# Altium PCB Archimajor.PcbDoc (part 5 of 13) (continued)
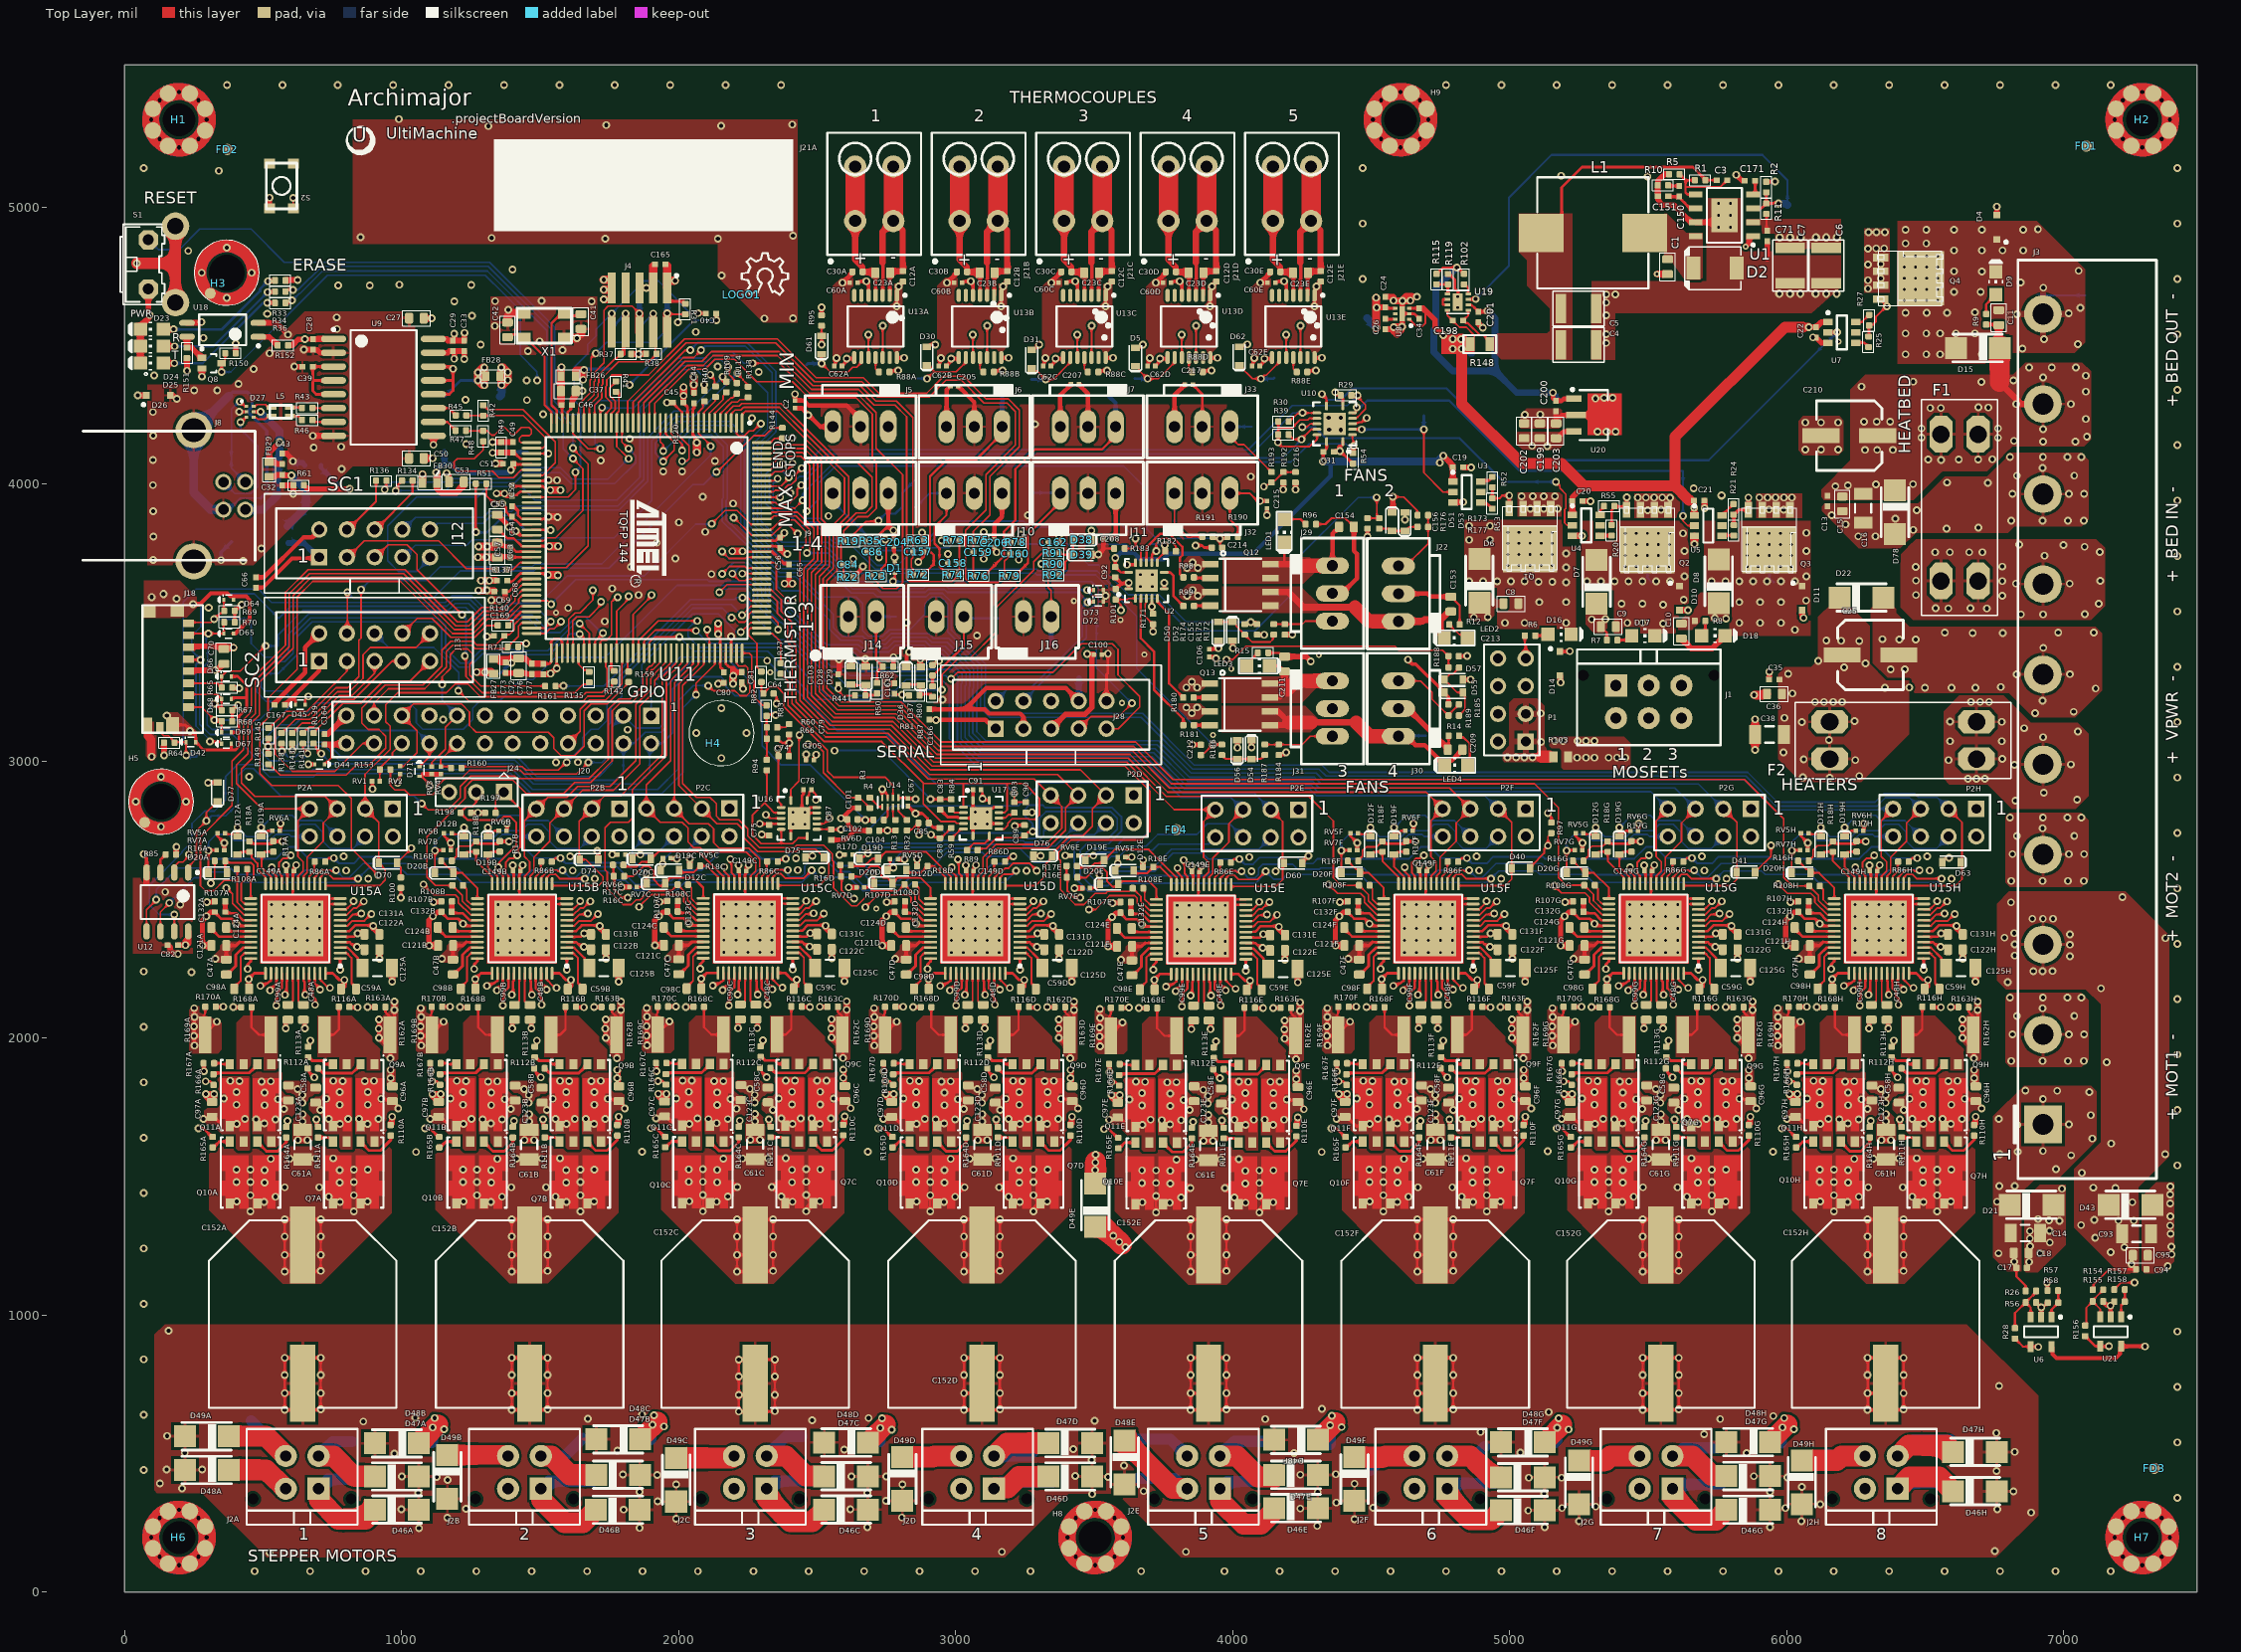
[diagram p0: Top Layer view]
## Nets (pads, with @x,y where several pads share a name; then routed paths per layer and width w, separated by ;. In a path a pad name is that pad's centre, name@x,y a point inside that pad or via, vN(x,y) a via of type N, cw(c..) or ccw(c..) an arc to the next point about the centre after c; other vN are vias at no path point) (continued)
  Top Layer w10: J18.11@187.02,3129.98 220.55,3129.98 257.5,3093.02 D42.A@257.5,3068.06 285.56,3040.01 386,3040.01 ; RV5A.2@335.63,2738.58 335.63,2728.74 v1(360.24,2704.13) RV7A.2@360.24,2677.56 ; D67.A@385.72,3062.3 385.72,3040.29 386,3040.01 ; D69.A@385.72,3103.01 411,3103.01 413,3101.01 ; D68.A@385.72,3224.01 389.72,3228.01 438,3228.01 441,3225.01 ; D66.A@385.72,3305.01 409.18,3305.01 441,3273.19 441,3225.01 ; RV6A.2@561.02,2747.44 564.29,2750.71 564.29,2770.39 568.03,2774.13 v1(563.06,2774.13) ; RV5B.2@1153.54,2738.58 1153.54,2728.74 v1(1178.15,2704.13) RV7B.2@1178.15,2677.56 ; C29.2@1189,4473.53 1189.94,4474.47 C29.2@1190,4474.53 ; v1(1308,3449.09) 1307.52,3449.09 1307,3449.61 C169.2@1334.3,3449.61 ; R49.1@1359.1,4150.53 R49.1@1360,4151.43 ; RV6B.2@1378.94,2747.44 1382.2,2750.71 1382.2,2770.39 1385.94,2774.13 v1(1380.97,2774.13) ; C49.2@1401.1,4151.43 C49.2@1402,4150.53 ; 1429.05,3814.47 U11.54@1469.65,3814.47 ; C74.2@2398.92,3017.68 v1@2398.92,3064.35 ; v1(2399.32,3064.35) C79.2@2399.33,3095.84 ; C78.1@2451.49,2896.04 2450.38,2894.93 2450.38,2879.4 2445.77,2874.8 2445.77,2821.05 U16.15@2454.44,2812.38 ; v1(2460.28,3024) 2460.28,3022.1 v1@2460.35,3022.02 ; C62A.1@2562.59,4425.57 2565.86,4428.83 2565.86,4444.78 2570.4,4449.32 v1(2570.4,4454.19) ; v1(2592.22,4726.46) C60A.1@2618.44,4726.46 ; U13A.14@2787.99,4456.26 2789.15,4455.09 v1(2814.56,4455.09) ; v1(2787.99,4640.69) U13A.1@2787.99,4680.67 v1@2787.99,4709.26 ; v1(2794.99,4713.26) v1@2792.69,4713.26 ; C12A.2@2809.99,4730.56 v1@2792.69,4713.26 ; C67.1@2828.46,2836.98 2855.03,2810.41 v1(2856.02,2810.41) 2880.62,2810.41 2898.35,2792.68 2898.35,2780.87 C85.1@2903.26,2775.96 2903.26,2774.96 2909.26,2768.96 2910.26,2768.96 2919.61,2759.61 2942.25,2759.61 C88.2@2943.62,2758.24 ; v3@2867.83,3715.92 v3(2865.86,3717.89) 2883.71,3735.74 C157.2@2883.71,3755.07 ; C62B.1@2939.59,4425.57 2942.86,4428.83 2942.86,4444.78 2947.4,4449.32 v1(2947.4,4454.19) ; C83.2@2944.6,2824.19 2945.6,2824.19 2951.6,2818.19 2951.6,2817.19 2971.65,2797.14 3008.15,2797.14 3010.42,2794.87 3016.19,2794.87 3016.85,2794.21 3017.29,2794.21 3017.81,2793.7 U17.4@3028.32,2793.7 U17.15@3092.52,2793.7 ; v1(2969.21,4726.46) C60B.1@2995.43,4726.46 ; U17.7@3062.99,2729.5 3062.99,2764.17 U17.15@3092.52,2793.7 ; C91.1@3063.7,2896.04 3062.99,2895.33 U17.1@3062.99,2857.9 3062.99,2823.23 v2(3070.87,2815.35) U17.15@3092.52,2793.7 ; U17.10@3156.72,2774.02 3112.2,2774.02 U17.15@3092.52,2793.7 ; U17.13@3156.72,2833.07 3156.68,2833.03 3137.51,2833.03 3133.63,2829.15 3127.97,2829.15 U17.15@3092.52,2793.7 ; U13B.14@3164.99,4456.26 3166.15,4455.09 v1(3191.56,4455.09) ; v1(3164.99,4640.69) U13B.1@3164.99,4680.67 v1@3164.99,4709.26 ; v1(3171.99,4713.26) v1@3169.69,4713.26 ; C12B.2@3186.99,4730.56 v1@3169.69,4713.26 ; C62C.1@3316.59,4425.57 3319.86,4428.83 3319.86,4444.78 3324.4,4449.32 v1(3324.4,4454.19) ; v1(3346.21,4726.46) C60C.1@3372.43,4726.46 ; C100.1@3527.5,3384.23 3529.47,3386.2 3532.42,3383.24 3536.39,3387.21 v1(3549.9,3387.21) 3549.9,3317.28 3544.76,3312.15 J28.10@3544.76,3216.39 ; U13C.14@3541.98,4456.26 3543.15,4455.09 v1(3568.56,4455.09) ; v1(3541.98,4640.69) U13C.1@3541.98,4680.67 v1@3541.98,4709.26 ; v1(3548.98,4713.26) v1@3546.68,4713.26 ; C12C.2@3563.98,4730.56 v1@3546.68,4713.26 ; C62D.1@3693.59,4425.57 3696.86,4428.83 3696.86,4444.78 3701.4,4449.32 v1(3701.4,4454.19) ; v1(3723.21,4726.46) C60D.1@3749.43,4726.46 ; v1(3855.04,3058.44) C212.2@3885.55,3058.44 ; C217.1@3856.02,4358.64 3890.35,4324.3 J33.2@3890.35,4206.53 ; v1@3866.85,3773.01 v1(3866.85,3777.93) 3889.48,3777.93 3897.36,3770.05 C214.2@3924.92,3770.05 ; C106.1@3916.06,3375.37 3934.79,3375.37 v1(3939.68,3370.47) ; U13D.14@3918.98,4456.26 3920.15,4455.09 v1(3945.56,4455.09) ; v1(3918.98,4640.69) U13D.1@3918.98,4680.67 v1@3918.98,4709.26 ; v1(3925.98,4713.26) v1@3923.68,4713.26 ; C12D.2@3940.98,4730.56 v1@3923.68,4713.26 ; D52.A@3999.72,3434.42 3999.72,3407.85 v1(4000.7,3406.87) ; v1(4016.86,3048.02) D56.A@4016.86,3074.19 ; C62E.1@4070.59,4425.57 4073.85,4428.83 4073.85,4444.78 4078.4,4449.32 v1(4078.4,4454.19) ; C155.2@4088.3,3456.08 4089.3,3456.08 4088.35,3455.12 v1(4113.9,3455.12) ; v1(4100.21,4726.46) C60E.1@4126.43,4726.46 ; v1(4123.74,3887.18) C215.1@4123.73,3911.1 ; U13E.14@4295.98,4456.26 4297.15,4455.09 v1(4322.55,4455.09) ; v1(4295.98,4640.69) U13E.1@4295.98,4680.67 v1@4295.98,4709.26 ; v1(4302.98,4713.26) v1@4300.68,4713.26 ; C12E.2@4317.98,4730.56 v1@4300.68,4713.26 ; v3(4386.53,4118.48) 4388.38,4118.48 4427.76,4079.1 4427.76,4079.01 4433.76,4073.01 R54.1@4434.76,4073.01 ; 4391.05,4134.79 4398.06,4141.81 U10.1@4398.06,4152.9 ; RV5F.2@4425.2,2738.58 4425.2,2728.74 v1(4449.8,2704.13) RV7F.2@4449.8,2677.56 ; U8.7@4612.27,4614.39 U8.2@4637.86,4614.39 ; RV6F.2@4650.59,2747.44 4653.86,2750.71 4653.86,2770.39 4657.6,2774.13 v1(4652.63,2774.13) ; R119.1@4778.76,4760.22 4801.95,4737.03 4801.95,4705.51 4814.25,4693.21 U19.9@4814.25,4656.92 ; RV5G.2@5238.2,2738.58 5238.2,2728.74 v1(5262.8,2704.13) RV7G.2@5262.8,2677.56 ; RV6G.2@5463.59,2747.44 5466.86,2750.71 5466.86,2770.39 5470.6,2774.13 v1(5465.63,2774.13) ; RV5H.2@6051.2,2738.58 6051.2,2728.74 v1(6075.8,2704.13) RV7H.2@6075.8,2677.56 ; RV6H.2@6276.59,2747.44 6279.86,2750.71 6279.86,2770.39 6283.6,2774.13 v1(6278.63,2774.13) ; 386,3040.01 400.92,3040.01 413,3052.09 413,3101.01 ; 413,3101.01 413,3161.01 441,3189.01 441,3225.01 ; v1@2787.99,4709.26 2788.69,4709.26 v1@2792.69,4713.26 ; v1@2787.99,4709.26 2791.99,4713.26 v1@2792.69,4713.26 ; v1@3164.99,4709.26 3165.69,4709.26 v1@3169.69,4713.26 ; v1@3164.99,4709.26 3168.99,4713.26 v1@3169.69,4713.26 ; v1@3541.98,4709.26 3542.68,4709.26 v1@3546.68,4713.26 ; v1@3541.98,4709.26 3545.98,4713.26 v1@3546.68,4713.26 ; v1@3918.98,4709.26 3919.68,4709.26 v1@3923.68,4713.26 ; v1@3918.98,4709.26 3922.98,4713.26 v1@3923.68,4713.26 ; v1@4295.98,4709.26 4296.68,4709.26 v1@4300.68,4713.26 ; v1@4295.98,4709.26 4299.98,4713.26 v1@4300.68,4713.26
  Top Layer w11: v1@1412,3831.01 1412.52,3831.01 1429.05,3814.47
  Top Layer w11.5: v1(2630.38,3729.05) v1@2630.38,3733.52 ; C86.2@2719.51,3755.29 2721.79,3753.01 2721.79,3736.95 v3(2724.07,3734.67) ; C159.2@3101.78,3753.42 3102.08,3753.12 v3(3102.08,3729.7) v3@3104.88,3726.9 ; v1@3228.07,3722.28 v1(3228.07,3726.75) 3231.22,3729.9 3231.22,3744.18 3235.32,3748.27 C160.2@3235.4,3748.27
  Top Layer w12: v1(70,2664) 70,2659.67 80.02,2649.65 U12.4@80.02,2597.27 ; C54.2@1402.73,3921.53 1421,3903.26 ; v1@1526.29,3873.53 v1@1531.18,3878.42 ; v3@1528.79,4011.32 1531,4013.53 v3(1531,4014.01) ; v3(1560.2,3334.1) v3@1560.2,3336.72 ; 1611.09,4270.42 1611.09,4280.61 C46.2@1616,4285.53 ; RV5C.2@1971.38,2648.66 1973.35,2646.69 v1(1994.02,2646.69) ; v3(2189.96,3448.82) 2194.29,3448.82 v3@2190.12,3444.65 ; C56.2@2360.93,3806.23 C56.2@2367.08,3806.23 ; C92.1@3576.49,3662.77 3577.49,3662.77 3582.49,3657.77 3582.49,3656.77 3598,3641.26 3598.39,3641.26 ; R101.2@3577.75,3620.62 3598.39,3641.26 ; v1(3619.2,3708.65) U2.13@3649.07,3708.65 ; v1@3624.73,3641.26 3598.39,3641.26 ; v1(4369.8,4331.08) 4374.25,4331.08 4390.15,4315.18 R29.1@4390.15,4318.58 ; v1(7168.71,1033.92) 7169.1,1033.53 7169.1,993.35 U21.2@7169.5,992.96
  Top Layer w14: C105.1@2460.35,3002.34 v1@2460.35,3022.02
  Top Layer w15: v4(248,3565.53) 272.69,3565.53 312.18,3605.01 314,3605.01 314.37,3605.38 370.63,3605.38 382,3594.01 438.9,3594.01 452.33,3580.58 452.33,3511.35 400.92,3459.94 D65.A@393.72,3459.94 ; C84.2@2630.38,3714.55 v1(2630.38,3729.05)
  Top Layer w16: C66.1@474,3663.23 502.7,3663.23 646,3806.53 678,3806.53 J12.2@703,3831.53 ; C167.1@541.35,3208.12 652.64,3319.4 652.64,3410.17 J13.2@703,3460.53 ; 1076.77,2951.18 1077.8,2952.21 RV3.2@1109.13,2952.21 RV4.2@1141.61,2952.21 ; J24.3@1172.05,2887.4 J24.3@1172.05,2887.87 ; C57.1@1345.54,3735.53 1347.84,3737.83 1394.02,3737.53 C63.2@1395,3737.53 ; v1(1760.35,2662.18) RV6C.2@1780.03,2662.18 ; C165.1@1909,4786.63 C165.1@1915.34,4792.97 ; v1(2232.28,3260.24) 2232.28,3270.49 v1@2233.31,3271.52 ; v1(2299.98,2734.75) 2304.04,2730.69 C75.2@2327.48,2730.69 ; v1@2396.27,3640.17 v1@2396.37,3640.07 ; v1@2396.47,3640.17 2397.93,3641.63 2397.93,3669.93 C65.2@2399.33,3671.33 ; v1(2420.39,4324.23) 2420.39,4301.54 C2.1@2420.12,4301.28 2452.34,4301.28 2470.12,4283.5 2607.34,4283.5 2657,4233.84 J5.2@2657,4206.53 ; C87.2@2550.9,2714.94 2602.31,2714.94 2632.7,2745.33 2632.7,2748.4 ; v1(2580.91,2661.22) RV6D.2@2600.59,2661.22 ; v1(2592.22,4726.46) 2624.29,4758.54 2624.29,4762.26 C30A.1@2627.29,4765.26 ; C101.1@2648.34,2829.92 2627.16,2829.92 2587,2789.76 2608.97,2789.76 C102.1@2608.97,2788.76 2611.84,2785.89 2611.84,2769.26 2632.7,2748.4 ; C104.1@2687.71,2748.4 2632.7,2748.4 ; 2777.83,3759.1 C204.1@2777.83,3774.85 ; RV5D.2@2793.7,2644.49 v1(2815.87,2644.49) ; C166.2@2905.26,3148.73 3107.42,3148.73 3118.23,3137.91 3123.24,3137.91 J28.1@3144.76,3116.39 ; v1(2969.21,4726.46) 3001.29,4758.54 3001.29,4762.26 C30B.1@3004.29,4765.26 ; C205.1@3008.86,4353.59 3067.5,4294.95 J6.2@3067.5,4206.53 ; C206.1@3140.04,3772.88 3140.04,3761.07 v1(3147.91,3753.2) ; v1(3346.21,4726.46) 3348.51,4728.76 3348.51,4732.48 3377.28,4761.26 3378.28,4761.26 3381.28,4764.26 C30C.1@3381.28,4765.26 ; C162.2@3372.62,3788.63 3372.62,3812.55 v1(3373.31,3813.24) ; v1(3396.18,2658.24) RV6E.2@3415.86,2658.24 ; C207.1@3444.88,4359.5 3478,4326.38 J7.2@3478,4206.53 ; D39.A@3489.45,3744.34 3514.61,3744.34 v1(3515.75,3745.47) 3534.17,3763.9 C208.1@3534.17,3803.54 ; RV5E.2@3613.11,2652.6 v1(3635.75,2652.6) ; v1(3723.21,4726.46) 3755.28,4758.54 3755.28,4762.26 C30D.1@3758.28,4765.26 ; v1(4100.21,4726.46) 4132.28,4758.54 4132.28,4762.26 C30E.1@4135.28,4765.26 ; v1(4227.08,3979.7) C216.2@4227.08,4005.29 ; 5166.02,4247.5 5171.09,4242.43 5183.44,4242.43 5189.3,4248.28 U20.2@5239.83,4248.28 ; v1(5817.57,5116.06) 5837.38,5096.25 5846.24,5096.25 C171.1@5848.08,5094.41 ; C35.2@5936.94,3293.9 5936.94,3321.35 v1(5937.36,3321.77) ; v1(6758.04,5000.94) 6758.58,5000.4 D4.A@6758.58,4970.11
  Top Layer w17: C55.1@1346,3890.3 1372.66,3863.64 1372.66,3863.17 1382.32,3853.5 1382.8,3853.5 v1@1386,3850.3
  Top Layer w18: v1@2228,3268.53 C81.2@2228,3283.53 ; 4599.87,4541.74 4612.27,4554.14 4612.27,4567.34 U8.7@4612.27,4614.39 v1@4612.27,4661.03 ; R155.1@7142.39,1048.81 7142.39,1047.81 7156.28,1033.92 v1@7160.38,1033.92 ; v1@7168.71,1034.02 7169.81,1034.02 7182.6,1046.81 R158.1@7182.6,1047.81
  Top Layer w19: v1(281.98,2333.68) 281.22,2334.45 281.22,2424.44 v1(295.87,2439.1) 310.53,2453.76 C132A.1@326.28,2453.76 ; v1(1099.9,2333.68) 1099.13,2334.45 1099.13,2424.44 v1(1113.79,2439.1) 1128.44,2453.76 C132B.1@1144.19,2453.76 ; v1(1915.17,2334.64) 1914.4,2335.4 1914.4,2425.4 v1(1929.06,2440.06) 1943.71,2454.72 C132C.1@1959.46,2454.72 ; v1(2735.72,2333.68) 2734.96,2334.45 2734.96,2424.44 v1(2749.61,2439.1) 2764.27,2453.76 C132D.1@2780.02,2453.76 ; v1(3551,2330.7) 3550.23,2331.47 3550.23,2421.47 v1(3564.88,2436.12) 3579.54,2450.78 C132E.1@3595.29,2450.78 ; v1(4371.55,2333.68) 4370.78,2334.45 4370.78,2424.44 v1(4385.44,2439.1) 4400.09,2453.76 C132F.1@4415.84,2453.76 ; v1(5184.55,2333.68) 5183.78,2334.45 5183.78,2424.44 v1(5198.44,2439.1) 5213.09,2453.76 C132G.1@5228.84,2453.76 ; v1(5997.55,2333.68) 5996.78,2334.45 5996.78,2424.44 v1(6011.44,2439.1) 6026.09,2453.76 C132H.1@6041.84,2453.76
  Top Layer w20: v1(48,4319.53) D26.C@69.69,4319.53 ; D25.C@57.67,4436.29 D24.C@57.67,4497.29 D23.C@57.67,4558.29 57.67,4569.45 90.78,4602.56 v1(90.78,4609.35) 86,4614.13 S1.2@86,4703.53 ; C82.2@156.75,2335.27 C82.2@156.45,2335.27 157.12,2335.27 165.32,2327.07 165.32,2317.98 178.93,2304.37 191.37,2304.37 v1(192.9,2302.84) ; U18.3@225.55,4581.14 274.52,4581.14 v1(277.68,4584.3) ; J18.6@231.9,3410.49 235.09,3413.68 C70.1@365.24,3413.68 ; v3(279.61,4387.39) Q8.2@279.61,4415.89 ; R61.1@648.17,3995.28 661.49,3981.97 v3(812.52,3981.97) ; C164.2@722,3097.23 734.7,3097.23 J20.23@801,3163.53 ; v1(898,2404.53) 899,2403.53 899,2395.01 C131A.1@919.98,2374.03 ; v1@919.98,2285.55 C122A.1@919.98,2318.91 ; v1(966.04,2203.49) C125A.1@966.04,2251.98 ; C27.2@1080.77,4598.53 1081.77,4599.53 1083.81,4597.49 v1(1108.74,4597.49) ; C50.2@1086.76,4086.53 C50.2@1080.77,4092.53 v1(1113,4092.53) ; U9.9@1115.12,4173.53 1115.57,4173.07 v1(1115.57,4141.38) ; U9.15@1115.12,4473.53 1167.12,4473.53 1173.22,4479.62 C33.2@1227.36,4479.62 1226.74,4479 v3(1226.74,4450.75) ; v1(1163,4039.01) 1162.54,4039.01 1170.08,4031.47 C53.1@1170.08,4015.76 ; C29.2@1186,4479.53 1185.44,4478.97 1189.94,4474.47 1190.43,4473.97 1190.36,4473.9 v1(1190.36,4451.83) ; v1(1329,4150.53) R49.1@1359.1,4150.53 ; v3(1343.3,3965.53) 1371.76,3965.53 v1(1372.11,3965.18) 1373.34,3965.18 1381,3957.53 C52.2@1392.3,3957.53 ; R49.1@1360,4151.43 C49.2@1401.1,4151.43 ; C73.2@1374,3317.68 1447.73,3317.68 1451.91,3313.5 C76.2@1471.32,3313.5 1512.34,3313.5 C77.2@1512.39,3313.44 v3@1534,3313.44 ; v1@1386,3843.53 1400,3829.53 1401.48,3831.01 v1@1412,3831.01 ; v3(1538,3315.53) 1539,3315.53 v3@1551.91,3328.44 ; v3(1560.2,3334.1) 1554.54,3328.44 v3@1551.91,3328.44 ; v3@1560.2,3336.72 v3@1551.91,3328.44 ; C46.2@1615,4286.53 C46.2@1616,4285.53 1616,4300.89 ; C37.1@1624.68,4315.81 1616,4307.13 1616,4300.89 ; C37.1@1625.22,4342.34 1625.22,4310.11 1616,4300.89 ; v1(1715.91,2404.53) 1716.91,2403.53 1716.91,2395.01 C131B.1@1737.89,2374.03 ; v1@1737.89,2285.55 C122B.1@1737.89,2318.91 ; v1(1783.95,2203.49) C125B.1@1783.95,2251.98 ; v1(1793.62,2544.66) RV7C.2@1822.16,2544.66 ; v1(1958.48,4294.01) C45.2@1979,4294.01 ; C44.2@2055,4326.53 v1@2055,4354.53 ; v1(2143.03,3278.53) 2139.82,3278.53 2142.82,3281.53 C80.2@2164,3281.53 ; C56.2@2367.08,3806.23 2381.61,3820.76 v1(2381.61,3823.2) ; v1(2531.18,2405.49) 2532.18,2404.49 2532.18,2395.97 C131C.1@2553.16,2374.99 ; v1(2553.18,2286.49) C122C.1@2553.16,2319.87 ; C103.2@2576.06,3313.2 C103.2@2576.52,3312.75 ; C103.2@2576.52,3312.75 2579.44,3315.73 v1(2579.44,3366.51) ; v1(2599.22,2204.45) C125C.1@2599.22,2252.94 ; v1(2614.17,2543.7) RV7D.2@2642.72,2543.7 ; D29.A@2673.52,3341.58 v3@2673.52,3366.75 ; v1(2754.56,3279.77) 2754.8,3279.53 C161.2@2777.52,3279.53 ; D37.A@2872.52,3338.99 v3@2872.52,3361.47 ; v1(3351.74,2404.53) 3352.74,2403.53 3352.74,2395.01 C131D.1@3373.72,2374.03 ; v1@3373.72,2285.55 C122D.1@3373.72,2318.91 ; v1(3419.78,2203.49) C125D.1@3419.78,2251.98 ; v1(3429.44,2540.72) RV7E.2@3457.99,2540.72 ; v1(4167.01,2401.55) 4168.01,2400.55 4168.01,2392.03 C131E.1@4188.99,2371.05 ; v1(4189.01,2282.55) C122E.1@4188.99,2315.94 ; v1(4235.05,2200.51) C125E.1@4235.05,2249.01 ; C31.1@4372.11,4118.48 v3(4386.53,4118.48) v3@4386.53,4131.15 ; C26.2@4550.87,4558.74 4576.87,4558.74 v1@4580.87,4554.74 ; C24.2@4551.87,4675.74 4579.47,4675.74 v1@4581.67,4673.54 ; U3.3@4795.09,3933.5 v1@4831.51,3933.5 ; C19.1@4832.49,4059.48 v1@4859.07,4059.48 ; C201.1@4886.95,4583.81 4886.95,4579.51 v3(4902.95,4563.51) ; v1(4987.57,2404.53) 4988.57,2403.53 4988.57,2395.01 C131F.1@5009.54,2374.03 ; v1@5009.54,2285.55 C122F.1@5009.54,2318.91 ; v1(5055.61,2203.49) C125F.1@5055.61,2251.98 ; C203.2@5167.3,4218.2 5167.3,4238.64 ; D14.A@5181.84,3307.75 5183.84,3305.75 v1(5183.84,3282.75) ; U4.3@5226.37,3812.75 v1(5261.8,3812.75) ; C20.1@5263.77,3937.75 v1(5292.31,3937.75) ; R5.1@5575.45,5118.71 5560.09,5118.71 5534.45,5093.07 R10.1@5534.45,5077.71 5534.5,5077.66 5534.5,5027.31 5549.48,5006.71 5592.35,5006.71 5654.35,4944.71 U1.7@5680.12,4944.71 ; D10.A@5615.12,3544.66 v1(5643.42,3544.66) ; v1@5703.62,3914.2 C21.1@5703.62,3940.5 ; v1(5800.57,2404.53) 5801.57,2403.53 5801.57,2395.01 C131G.1@5822.54,2374.03 ; v1@5822.54,2285.55 C122G.1@5822.54,2318.91 ; v1(5868.61,2203.49) C125G.1@5868.61,2251.98 ; 5929.31,4812.91 C71.1@5929.31,4870 ; D11.A@6056.11,3544.5 6056.11,3516.5 v1(6061.11,3516.5) ; v1(6094.79,4528.76) 6105.88,4528.76 C22.2@6106.42,4528.22 ; C22.2@6106.47,4528.17 6125.08,4509.57 U7.3@6149.12,4509.57 ; v1(6613.57,2404.53) 6614.57,2403.53 6614.57,2395.01 C131H.1@6635.54,2374.03 ; v1@6635.54,2285.55 C122H.1@6635.54,2318.91 ; v1(6681.61,2203.49) C125H.1@6681.61,2251.98
  Top Layer w22: v1(281.98,2333.68) C121A.1@314.27,2333.68 ; v1(1099.9,2333.68) C121B.1@1132.18,2333.68 ; v1(1915.17,2334.64) C121C.1@1947.45,2334.64 ; v1(2735.72,2333.68) C121D.1@2768.01,2333.68 ; v1(3551,2330.7) C121E.1@3583.28,2330.7 ; v1(4371.55,2333.68) C121F.1@4403.83,2333.68 ; v1(5184.55,2333.68) C121G.1@5216.83,2333.68 ; U1.7@5672,4944.71 5775.35,4944.71 U1.9@5775.35,4969.71 ; v1(5997.55,2333.68) C121H.1@6029.83,2333.68 ; C97A.1@316.43,1769.06 293.79,1791.69 v1(293.79,1797.4) 309.54,1797.4 v1@316.43,1790.51 ; C97A.1@316.43,1769.06 323.32,1775.94 v1(323.32,1797.4) v1@316.43,1790.51 ; C97A.1@316.43,1769.06 v1@316.43,1790.51 ; C97B.1@1134.35,1769.06 1111.71,1791.69 v1(1111.71,1797.4) 1127.46,1797.4 v1@1134.35,1790.51 ; C97B.1@1134.35,1769.06 1141.24,1775.94 v1(1141.24,1797.4) v1@1134.35,1790.51 ; C97B.1@1134.35,1769.06 v1@1134.35,1790.51 ; C97C.1@1949.62,1770.01 v1@1949.62,1791.47 ; C97C.1@1949.62,1770.01 1956.51,1776.9 v1(1956.51,1798.36) v1@1949.62,1791.47 ; C97C.1@1949.62,1770.01 1926.98,1792.65 v1(1926.98,1798.36) 1942.73,1798.36 v1@1949.62,1791.47 ; C97D.1@2770.17,1769.06 2747.54,1791.69 v1(2747.54,1797.4) 2763.28,1797.4 v1@2770.17,1790.51 ; C97D.1@2770.17,1769.06 2777.06,1775.94 v1(2777.06,1797.4) v1@2770.17,1790.51 ; C97D.1@2770.17,1769.06 v1@2770.17,1790.51 ; C97E.1@3585.44,1766.08 3592.33,1772.97 v1(3592.33,1794.42) v1@3585.44,1787.53 ; C97E.1@3585.44,1766.08 v1@3585.44,1787.53 ; C97E.1@3585.44,1766.08 3562.81,1788.72 v1(3562.81,1794.42) 3578.55,1794.42 v1@3585.44,1787.53 ; C97F.1@4406,1769.06 4383.36,1791.69 v1(4383.36,1797.4) 4399.11,1797.4 v1@4406,1790.51 ; C97F.1@4406,1769.06 4412.89,1775.94 v1(4412.89,1797.4) v1@4406,1790.51 ; C97F.1@4406,1769.06 v1@4406,1790.51 ; C97G.1@5219,1769.06 5196.36,1791.69 v1(5196.36,1797.4) 5212.11,1797.4 v1@5219,1790.51 ; C97G.1@5219,1769.06 5225.89,1775.94 v1(5225.89,1797.4) v1@5219,1790.51 ; C97G.1@5219,1769.06 v1@5219,1790.51 ; C97H.1@6032,1769.06 6009.36,1791.69 v1(6009.36,1797.4) 6025.11,1797.4 v1@6032,1790.51 ; C97H.1@6032,1769.06 6038.89,1775.94 v1(6038.89,1797.4) v1@6032,1790.51 ; C97H.1@6032,1769.06 v1@6032,1790.51
  Top Layer w24: 80.02,2559.68 U12.4@80.02,2597.27 ; S1.3@184,4930.53 S1.3@184,4934.28 ; v1(1531,3881.53) 1561.89,3881.53 v1(1563,3880.42) ; J4.5@1859,4707.82 1859.08,4707.9 1882,4707.9 1881.89,4707.79 1882.94,4706.74 v1(1883.86,4707.72) v1(1883.86,4707.72) ; v1@1882.08,4707.82 J4.3@1909,4707.82 ; v1@4581.67,4661.03 v1@4612.27,4661.03 ; v1@4612.87,4661.03 4643.67,4661.03 4643.67,4672.94 4646.47,4675.74 v1(4665.38,4675.74) ; v1(5885.88,3039.41) 5885.97,3039.5 C38.1@5885.97,3095.57 v1(5885.97,3150.07)
  Top Layer w25: v1(1306.35,3735.53) C57.1@1345.54,3735.53 ; v1(1308,3615.53) v1@1308.33,3615.86 ; v1(1317,3651.01) 1317.33,3651.34 C68.2@1340.47,3651.34 ; v1(1340,4073.53) C51.2@1362.55,4073.53 ; v1@5666.72,3781.7 U5.3@5666.72,3812.1
  Top Layer w26: v1@1278.45,3614.62 C69.2@1334.5,3614.62 ; C37.1@1629.44,4334.53 1630.59,4335.68 v1(1652.98,4335.68) ; v1(1632.98,4525.99) 1647.98,4540.99 ; v1@1731.21,4665.4 J4.9@1759.75,4665.4 ; v1@4580.87,4554.74 4580.87,4567.74 v1(4611.87,4567.74)
  Top Layer w28: C70.1@354.57,3409.01 v3(393.72,3409.01) ; v1(1275.94,3735.47) 1276,3735.53 v1(1306.35,3735.53) ; v1(1286.6,3650.95) 1286.65,3651.01 v1(1317,3651.01) ; v1(1730.24,4666.37) v1@1731.21,4665.4 ; v1(2382.59,3640.17) v1@2396.27,3640.17 ; v1@2396.37,3640.07 2396.47,3640.17 v1(2411.06,3640.17) ; v1@4580.87,4554.74 4593.87,4541.74 ; v1(4611.87,4567.74) v1@4612.27,4567.34 ; v1@4612.27,4661.03 4612.87,4661.03 4627.57,4675.74 4646.47,4675.74
  Top Layer w30: J18.13@83.94,3126.23 83.94,3089.81 96.46,3077.28 96.46,3017.06 v1(98,3015.53) ; C42.1@1381.98,4586.84 1381.98,4602.93 1396.42,4617.38 1439.07,4617.38 X1.4@1442.14,4614.3 ; X1.2@1587.81,4527.69 1589.5,4525.99 v1(1632.98,4525.99) ; 1647.98,4540.99 C41.1@1647.98,4556.11 ; v1(1729.85,4737.16) J4.9@1757.87,4737.16 ; v1(1730.04,4701.17) 1753.41,4701.17 J4.9@1753.61,4700.97 ; J4.3@1909,4707.82 C165.1@1909,4786.63 ; v1(2054.57,4387.3) 2055,4386.87 v1(2055,4358.53) v1@2055,4354.53 ; v3(5882.84,3237.88) 5925.27,3237.88 C36.2@5929.17,3241.78
  Top Layer w40: v1(45,4796.53) 184,4796.53 ; S1.4@184,4654.53 184,4796.53 ; S1.3@184,4930.53 184,4796.53
  Top Layer w75: D49E.A@3504.54,1475.2 v1@3505.32,1552.98
  Mid1 w9: v1@615.48,2624.19 v1(619.9,2624.19) ; v1@1433.4,2624.19 v1(1437.82,2624.19) ; v1@2248.67,2625.15 v1(2253.09,2625.15) ; v1@3069.22,2624.19 v1(3073.64,2624.19) ; v1@3884.5,2621.22 v1(3888.91,2621.22) ; v1@4705.05,2624.19 v1(4709.47,2624.19) ; v1@5518.05,2624.19 v1(5522.47,2624.19) ; v1@6331.05,2624.19 v1(6335.47,2624.19)
  Mid1 w10: v1(2460.28,3024) v1@2460.28,3030.95 ; v1(3939.68,3370.47) v1@3939.68,3372.42
  Mid1 w16: v1@2296.08,2734.75 v1(2299.98,2734.75)
  Bottom Layer w16: JP2.1@710.12,4068.16 710.12,4057.76 725.12,4042.76 725.12,4042.07 785.22,3981.97 v3(812.52,3981.97)
  Bottom Layer w40: S1.4@194,4654.53 S1.4@200.25,4648.28